# Altium PCB ELOC_Receiver.PcbDoc (continued)
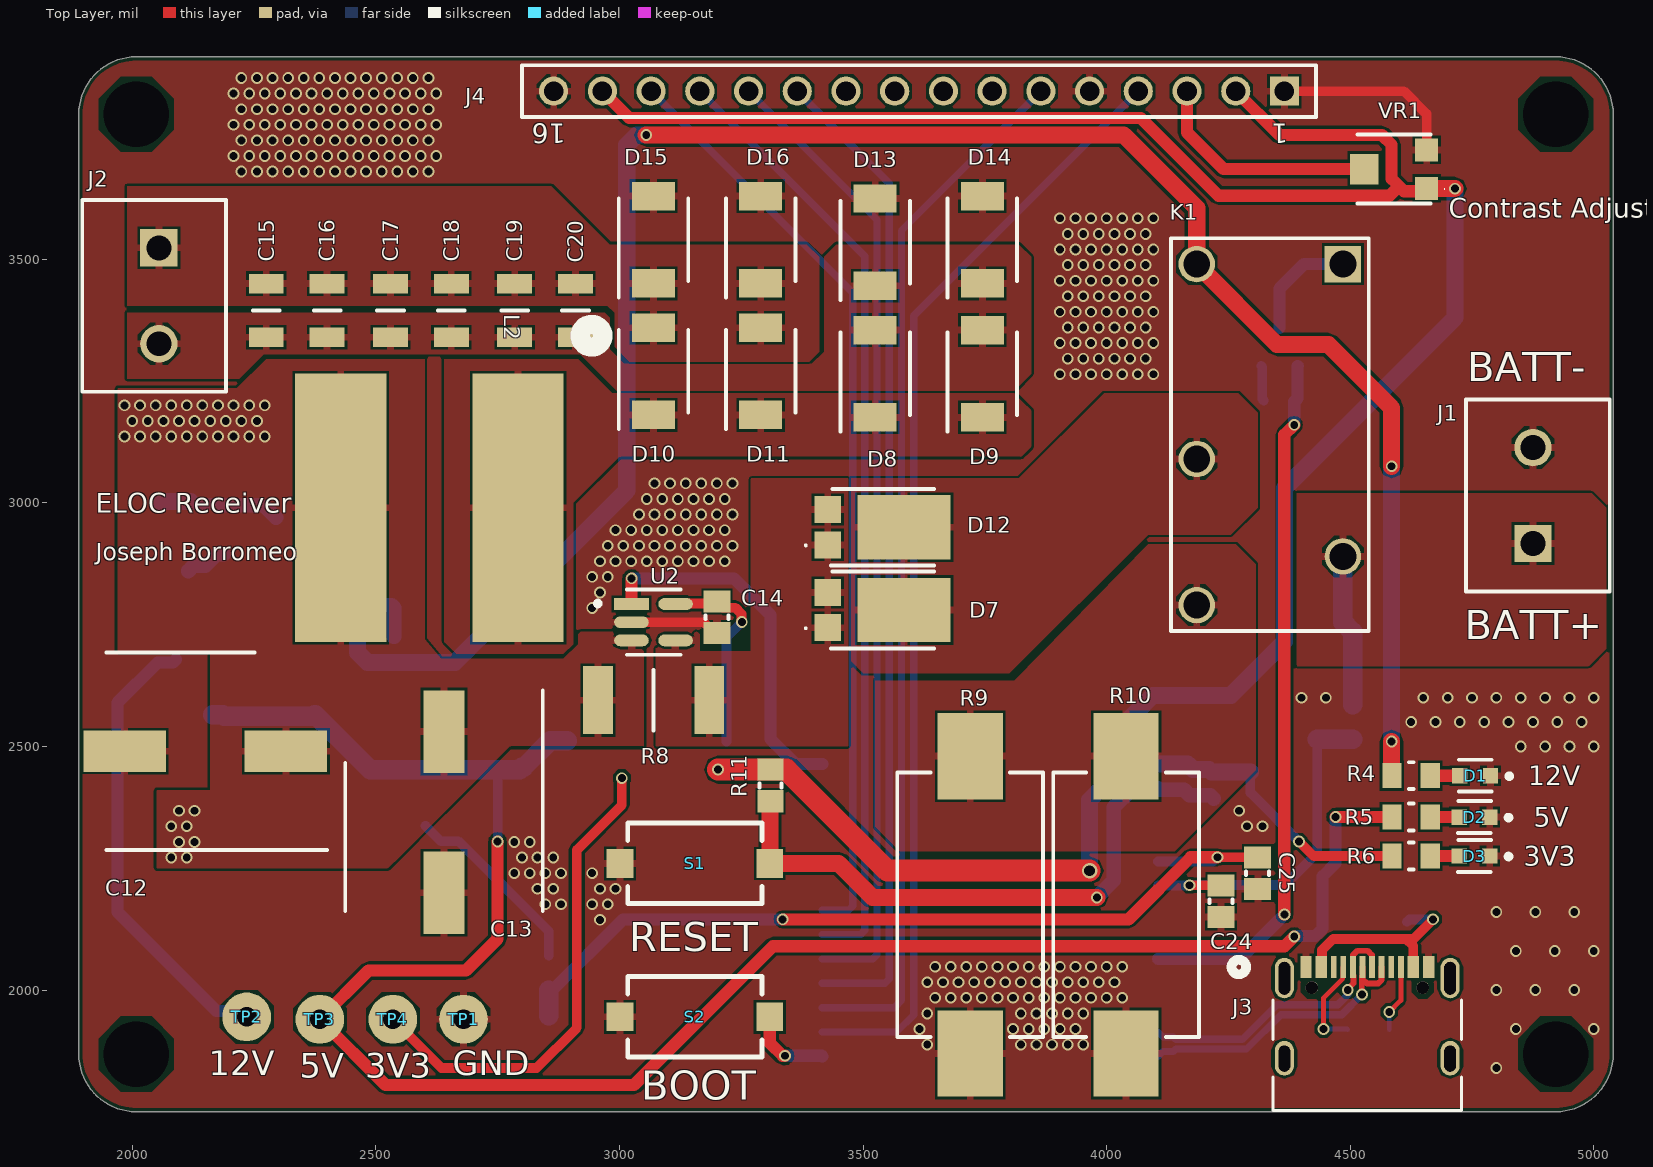
[diagram p0: Top Layer view]
## Footprints (in the part's own frame and the unit in brackets; to place one, negate y for a bottom-side part, rotate by r counter-clockwise, add the part's x,y. Pads: shape width x height; smd on the part's side, far side on the other; paste and mask are expansions set on the pad) (continued)
  rect 1x1.35 smd: 1(-0.9,0) 2(0.9,0)
  silkscreen extent -0.1,-0.58 0.1,0.58, body extent -1.05,-0.67 1.05,0.67, height 0.6
RESC6434X90N [mm]
  rect 1.55x3.55 smd: 1(-2.9,0) 2(2.9,0)
  silkscreen extent 0,-1.58 0,1.58, body extent -3.22,-1.68 3.22,1.68, height 0.9
SDR1307-220ML [mm]
  rect 14x4.75 smd: 1(0,4.625) 2(0,-4.625)
  silkscreen extent -9.56,7.87 -8.38,9.04, body extent -6.5,-6.18 6.5,6.82, height 7
SOD-128 [mm]
  rect 1.4x2.1 smd mask+0.076: 1(-2.2,0) 2(2.2,0)
  silkscreen extent -2.2,-1.35 2.2,1.35, body extent -2.5,-1.35 2.5,1.35, height 1.1
SODFL5436X110N [mm]
  rect 1.48x2.24 smd: 1(-2.275,0) 2(2.275,0)
  silkscreen extent -3.02,-1.81 2.16,1.81, body extent -2.7,-1.81 2.7,1.81, height 1.1
SOIC127P600X170-9N [mm]
  rect 1.525x0.7 smd: 1(-2.712,1.905) 2(-2.712,0.635) 3(-2.712,-0.635) 4(-2.712,-1.905) 5(2.712,-1.905) 6(2.712,-0.635) 7(2.712,0.635) 8(2.712,1.905)
  rect 2.56x3.45 smd: 9(0,0)
  silkscreen extent -3.47,2.61 -1.95,2.61, body extent -3,-2.45 3,2.45, height 1.7
Tactile_Button_3X6X2 [mm] "Tactile Button"
  rect 1.4x1.5 smd: 1(-3.9,0) 2(3.9,0)
  silkscreen extent -3.5,-2.1 3.5,2.1, body extent -4,-1.85 4,1.85, height 3.05
TBAT54CLM [mm]
  rect 0.6x0.7 smd: 1(-0.95,-1) 2(0.95,-1) 3(0,1)
  silkscreen extent -1.45,-1.55 1.45,0.65, body extent -1.45,-1.2 1.45,1.2, height 0.95
TC33X2503E [mm]
  rect 1.2x1.2 smd: 1(-1,-1.7) 3(1,-1.7)
  rect 1.6x1.5 smd: 2(0,1.55)
  silkscreen extent -1.8,-2.64 1.8,1.9, body extent -1.5,-2 1.5,1.8, height 1.22
TESTPOINT_LOOP [mm]
  round 2.54 hole 1.02: 1(0,0)
  body extent -1.27,-1.27 1.27,1.27, height 4.57
USB4105_GCT [mil]
  oval 39x71 smd: 13(-170.08,-49.97) 14(170.08,-49.97)
  oval 39x83 smd: 15(-170.08,114.6) 16(170.08,114.6)
  round 26 hole 26 unplated: 17(-113.78,94.91) 18(113.78,94.91)
  rect 23x45 smd: A1-B12(-125.98,137.24) A4-B9(-94.49,137.24) B1-A12(125.98,137.24) B4-A9(94.49,137.24)
  rect 12x45 smd paste+0 mask+0: A5(-49.21,137.24) A6(-9.84,137.24) A7(9.84,137.24) A8(49.21,137.24) B5(68.9,137.24) B6(29.53,137.24) B7(-29.53,137.24) B8(-68.9,137.24)
  round 24 hole 24 slot 53.15 at 90 deg unplated: S_1_H1(-170.08,-50.79) S_2_H1(170.08,-50.79)
  round 24 hole 24 slot 66.93 at 90 deg unplated: S_3_H1(-170.08,114.17) S_4_H1(170.08,114.17)
  silkscreen extent -278,-157 194,152, body extent -189,-152 189,151, height 130

## Part data
C1 C2 C3 C5: library part CMP-207839-000010-1, "CAP CER 1UF 25V X7R 0805", Capacitance=1uF, Case Code (Imperial)=0805, Case Code (Metric)=2012, Dielectric=X7R, Max Operating Temperature=125°C, Min Operating Temperature=-55°C, Tolerance=10%, Voltage Rating=25V, Case/Package=0805, Length=0.079inch, Mount="Surface Mount", Packaging="Cut Tape", RoHS Compliant=Yes, Series=WCAP-CSGP, Thickness=0.053inch, Voltage Rating (DC)=25V, Width=0.049inch
C4: "Capacitor", Capacitance=100nF, Manufacturer_Name=KEMET, Mouser Part Number=80-C0805C104K1RAUTLR, Arrow Part Number=C0805C104K1RACAUTO7210, Arrow Price/Stock=https://www.arrow.com/en/products/c0805c104k1racauto7210/kemet-corporation?region=europe, Datasheet Link=https://content.kemet.com/datasheets/KEM_C1023_X7R_AUTO_SMD.pdf, Height=1.1mm, Manufacturer_Part_Number=C0805C104K1RACAUTO7210, Mouser Price/Stock=https://www.mouser.co.uk/ProductDetail/KEMET/C0805C104K1RACAUTO7210?qs=NJR6qtu0rR34GE7CYHVK6Q%3D%3D
C6 C7: library part CMP-13271-002240-1, "CL21 Series 0805 10uF 16V ±10% Tolerance X5R Multilayer Ceramic Chip Capacitor", Capacitance=10uF, Case Code (Imperial)=0805, Case Code (Metric)=2012, Dielectric=X5R, Max Operating Temperature=85°C, Min Operating Temperature=-55°C, Package Quantity=3000, Tolerance=10%, Voltage=16V, Case/Package=0805, Depth=1.25mm, Height=1.25mm, Length=2mm, Material=Ceramic, Mount="Surface Mount", Packaging="Tape and Reel", Thickness=0.053inch, Voltage Rating=16V, Width=0.049inch
C8: library part CMP-2007-04689-1, Capacitance=100nF, Manufacturer="AVX Interconnect / Elco", Part Number=08055D104KAT2A
C9: library part CMP-13271-000003-1, "CAP CER 0.33UF 50V X7R 0805", Capacitance=330nF, Manufacturer="Samsung Electro-Mechanics", Package=CL21-F, Temperature="-55°C to +125°C", Temperature Characteristic=X7R, Temperature Coefficient=15%, Temperature Range High=+125°C, Temperature Range Low=-55°C, Tolerance=10%, Voltage Rating=50V, Automotive=No, Category=Cap, ComponentLink2Description=Datasheet, ComponentLink2URL=http://www.samsungsem.com/kr/support/product-search/mlcc/__icsFiles/afieldfile/2018/07/24/CL21B334KBFNNNE.pdf, Device Class L1="Passive Components", Device Class L2=Capacitors, Device Class L3="Ceramic Capacitors", Digikey Description="CAP CER 0.33UF 50V X7R 0805", Height=1.35mm, Ipc Land Pattern Name=CAPC200125X125, Lead Free=Yes, Manufacturer Part Number=CL21B334KBFNNNE, Material=Ceramic, Octopart=https://octopart.com/cl21b334kbfnnne-samsung-9287149, RoHS=TRUE
C10: library part CMP-2000-06102-2, "CL21 Series 0805 10uF 16V ±10% Tolerance X5R Multilayer Ceramic Chip Capacitor", Capacitance=10uF, Case Code (Imperial)=0805, Case Code (Metric)=2012, Dielectric=X7R, Max Operating Temperature=85°C, Min Operating Temperature=-55°C, Package Quantity=1, Tolerance=10%, Voltage=16V, Case/Package=0805, Depth=1.25mm, Height=1.25mm, Lead Free="Lead Free", Length=2mm, Mount="Surface Mount", Packaging="Tape and Reel", Radiation Hardening=No, Thickness=0.055inch, Voltage Rating=16V, Voltage Rating (DC)=16V, Width=0.049inch
C11: library part CMP-13271-002967-1, "CL21 Series 0805 22uF 6.3V ±20% Tolerance X5R Multilayer Ceramic Chip Capacitor", Capacitance=22uF, Case Code (Imperial)=0805, Case Code (Metric)=2012, Dielectric=X5R, Max Operating Temperature=85°C, Min Operating Temperature=-55°C, Package Quantity=3000, Tolerance=20%, Voltage=6.3V, Case/Package=0805, Depth=1.25mm, Height=1.25mm, Length=2mm, Material=Ceramic, Mount="Surface Mount", Packaging="Tape and Reel", Radiation Hardening=No, Thickness=0.055inch, Voltage Rating=6.3V, Width=0.049inch
C12 C13: "Capacitor Polarised", Capacitance=47uF, Manufacturer_Name=Nichicon, Mouser Part Number=647-UCD1K470MNL1GS, Arrow Part Number=UCD1K470MNL1GS, Arrow Price/Stock=https://www.arrow.com/en/products/ucd1k470mnl1gs/nichicon, Datasheet Link=https://www.arrow.com/en/products/ucd1k470mnl1gs/nichicon, Height=10.8mm, Manufacturer_Part_Number=UCD1K470MNL1GS, Mouser Price/Stock=https://www.mouser.co.uk/ProductDetail/Nichicon/UCD1K470MNL1GS?qs=c0uEScvPYN07T8BStUenxw%3D%3D
C14 C23 C24 C25: "CAP CER 0.1UF 50V X7R 0805", Capacitance=0.1µF, Package / Case=0805, Supplier Part Number 1=399-1170-1-ND, Temperature Coefficient=X7R, Tolerance=±10%, Voltage - Rated=50V, Supplier 1=Digi-Key
C15 C16 C17 C18 C19 C20: "Capacitor", Capacitance=10nF, Manufacturer_Name=KEMET, Mouser Part Number=80-C1206C103JAGECAUT, Arrow Part Number=C1206C103JAGECAUTO, Arrow Price/Stock=https://www.arrow.com/en/products/c1206c103jagecauto/kemet-corporation?region=nac, Datasheet Link=https://content.kemet.com/datasheets/KEM_C1091_C0G_ESD.pdf, Height=1.1mm, Manufacturer_Part_Number=C1206C103JAGECAUTO, Mouser Price/Stock=https://www.mouser.co.uk/ProductDetail/KEMET/C1206C103JAGECAUTO?qs=MLItCLRbWsxJM3Q8yxQv7A%3D%3D
C21: "CAP CER 1UF 16V X7R 0805", Capacitance=1µF, Manufacturer="Murata Electronics North America", Operating Temperature="-55°C ~ 125°C", Package / Case=0805, Supplier Part Number 1=490-1691-1-ND, Temperature Coefficient=X7R, Tolerance=±10%, Voltage - Rated=16V, Supplier 1=Digi-Key
C22: "CAP CER 22UF 16V X5R 0805", Capacitance=22µF, Supplier Part Number 1=1276-6780-1-ND, Temperature Coefficient=X5R, Tolerance=±20%, Voltage - Rated=16V, Supplier 1=Digi-Key
D1 D3: library part CMP-1426-00006-5, "LED GREEN CLEAR 0603 SMD", Case Code (Imperial)=0603, Case Code (Metric)=1608, Color=Green, Forward Current=20mA, Forward Voltage=2V, Lens Color=Colorless, Max Operating Temperature=85°C, Min Operating Temperature=-40°C, Package Quantity=4000, Power Rating=72mW, Reverse Voltage (DC)=5V, Case/Package=0603, Dominant Wavelength=570nm, Height=0.8mm, Illumination Color=Green, Length=1.6mm, Lens Size=0.7mm, Lens Style=Rectangular, Lens Transparency=Clear, Luminous Intensity=40mcd, Mount="Surface Mount", Number of Pins=2, Packaging="Cut Tape", RoHS Compliant=Yes, Series=WL-SMCW, Test Current=20mA, Viewing Angle=140°, Wavelength=570nm, Weight=0.000882oz, Width=0.8mm
D2: library part CMP-1426-00006-5, "LED GREEN CLEAR 0603 SMD", Case Code (Imperial)=0603, Case Code (Metric)=1608, Color=Green, Forward Current=20mA, Forward Voltage=2V, Lens Color=Colorless, Max Operating Temperature=85°C, Min Operating Temperature=-40°C, Package Quantity=4000, Power Rating=72mW, Case/Package=0603, Dominant Wavelength=570nm, Height=0.8mm, Illumination Color=Green, Length=1.6mm, Lens Size=0.7mm, Lens Style=Rectangular, Lens Transparency=Clear, Luminous Intensity=40mcd, Mount="Surface Mount", Number of Pins=2, Packaging="Cut Tape", Reverse Voltage (DC)=5V, RoHS Compliant=Yes, Series=WL-SMCW, Test Current=20mA, Viewing Angle=140°, Wavelength=570nm, Weight=0.000882oz, Width=0.8mm
D4 D5 D6: library part CMP-1060-00168-1, "3 W Zener Voltage Regulator, 2-Pin SMB, Pb-Free, Tape and Reel", Manufacturer="On Semiconductor", ComponentLink1Description="Manufacturer URL", ComponentLink1URL=http://www.onsemi.com/, ComponentLink2Description=Datasheet, ComponentLink2URL=http://www.onsemi.com/pub_link/Collateral/1SMB5913BT3-D.PDF, ComponentLink3Description="Package Specification", ComponentLink3URL=http://www.onsemi.com/pub_link/Collateral/1SMB5913BT3-D.PDF, DatasheetVersion="Rev. 8", Mounting Technology="Surface Mount", PackageDescription="2-Pin Small Molded Package, J-Bend Lead, Body 4.33 x 3.625 mm", PackageReference=SMB-2-403A-03_H, PackageVersion="Rev. H, 05/2011", Packing="Tape and Reel", PartNumber=1SMB5947BT3G, RoHS=Pb-Free, VZ Typ (V)=82
D7 D12: "Schottky Diode", Manufacturer_Name="Micro Commercial Components (MCC)", Datasheet Link=https://www.mccsemi.com/pdf/Products/MBR5U100(TO-277).pdf, Height=1.2mm, Manufacturer_Part_Number=MBR5U100-TP
D8 D9 D10 D11 D13 D14 D15 D16: "Schottky Diode", Manufacturer_Name=STMicroelectronics, Mouser Part Number=511-STPS4S200UFN, Arrow Part Number=STPS4S200UFN, Arrow Price/Stock=https://www.arrow.com/en/products/stps4s200ufn/stmicroelectronics?region=europe, Datasheet Link=https://www.st.com/resource/en/datasheet/stps4s200.pdf, Height=1.1mm, Manufacturer_Part_Number=STPS4S200UFN, Mouser Price/Stock=https://www.mouser.co.uk/ProductDetail/STMicroelectronics/STPS4S200UFN?qs=xZ%2FP%252Ba9zWqZ%2F%2FCgto3MYYA%3D%3D
D17: "DIODE SCHOTTKY 360mV 30V 5A", MFG=Nexperia, MFG_PN=PMEG3050EP,115, Supplier=Digikey, Supplier_PN=1727-5317-1-ND
IC1: "Integrated Circuit", Manufacturer_Name="Monolithic Power Systems (MPS)", Mouser Part Number=946-MP4541GN-Z, Datasheet Link=https://www.monolithicpower.com/en/documentview/productdocument/index/version/2/document_type/Datasheet/lang/en/sku/MP4541GN/, Height=1.7mm, Manufacturer_Part_Number=MP4541GN-Z, Mouser Price/Stock=https://www.mouser.co.uk/ProductDetail/Monolithic-Power-Systems-MPS/MP4541GN-Z?qs=TCDPyi3sCW3JrMFxnpK4AA%3D%3D
IC2: "Integrated Circuit", Manufacturer_Name="Diodes Inc.", Mouser Part Number=621-AS78L05RTR-E1, Arrow Part Number=AS78L05RTR-E1, Arrow Price/Stock=https://www.arrow.com/en/products/as78l05rtr-e1/diodes-incorporated?region=asia, Datasheet Link=https://www.diodes.com/assets/Datasheets/AS78Lxx.pdf, Manufacturer_Part_Number=AS78L05RTR-E1, Mouser Price/Stock=https://www.mouser.co.uk/ProductDetail/Diodes-Incorporated/AS78L05RTR-E1?qs=FKu9oBikfSksfBIasZ7FtQ%3D%3D
J1 J2: library part CMP-1502-03324-1, "Series 1377 - 5.00 mm Horizontal Entry with Pressure Clamp WR-TBL, 2 pin", Manufacturer="Wurth Elektronik", Operating Temperature=-30to120degC, Datasheet URL=http://katalog.we-online.de/pbs/datasheet/691137710002.pdf, Manufacturer URL=http://www.we-online.de, Mounting Technology=THT, Package Reference=691137710002, Packaging=Box, Part Number=691137710002, Pin Number=2, Pitch=5.00mm, Publisher=WurthElektronik
J3: "No Description Available", Mfr_Name="Global Connector Technology", Copyright="Copyright (C) 2022 Ultra Librarian. All rights reserved.", Digi-Key_Part_Number_1=2073-USB4105-GF-ACT-ND, Digi-Key_Part_Number_2=2073-USB4105-GF-ADKR-ND, Digi-Key_Part_Number_3=2073-USB4105-GF-ATR-ND, Manufacturer_Part_Number=USB4105-GF-A, RefDes=RefDes, Type=DEV
J4: library part CMP-1502-01343-1, "THT Vertical Socket Header WR-PHD, Pitch 2.54 mm, Single Row, 16 pins", Contact Resistance=20mOhm, Manufacturer="Wurth Elektronik", Operating Temperature=-40to125degC, Rated Current=3A, Withstanding Voltage=500VAC, Working Voltage=250VAC, Datasheet URL=https://katalog.we-online.de/em/datasheet/6130xx11821.pdf, Gender=Female, Manufacturer URL=http://www.we-online.de, Mounting Technology=THT, Orientation=Vertical, Package Reference=61301611821, Packaging=Tray, Part Number=61301611821, Pin Number=16, Pitch=2.54mm, Publisher=WurthElektronik, Row Number=Single
K1: library part CMP-1503-00193-1, "LQ Relays, 12 V Coil Voltage, 400 mW Nominal Operating Power, -40 to 85 degC, 5-Pin LQ, Carton, Case, RoHS", Coil Voltage="12 V", Manufacturer=Panasonic, Max Switching Current="10 A (N.O.), 3 A (N.C.)", Max Switching Voltage="250 V AC", Nominal Operating Power="400 mW", ComponentLink1Description="Manufacturer URL", ComponentLink1URL=http://www3.panasonic.biz/ac/ae/index.jsp, ComponentLink2Description=Datasheet, ComponentLink2URL=http://www3.panasonic.biz/ac/e_download/control/relay/power/catalog/mech_eng_lq.pdf?f_cd=401220, ComponentLink3Description="Package Specification", ComponentLink3URL=http://www3.panasonic.biz/ac/e_download/control/relay/power/catalog/mech_eng_lq.pdf?f_cd=401220, DatasheetVersion=201410-T, Electrical Life=5x10^4, Mechanical Life(Min.operation)=1x10^7, Mounting Technology="Through Hole", PackageDescription="5-Pin Through Hole Terminal Package, Body 20 x 10 mm", PackageReference=LQ-5-2000x1000x1600, PackageVersion="ASCTB92E, 10/2014", Packing="Carton, Case", PartNumber=ALQ112, Pb-Free=True, RoHS=True, Series="LQ Relays"
L1: library part CMP-14484-000483-1, "SMD Inductors 10uH ±10% 0.235A 0.247Ω 1007", Case Code (Imperial)=1007, Case Code (Metric)=2518, Current Rating=235mA, DC Resistance (DCR)=190mR, Inductance=10uH, Inductance Tolerance=10%, Max Operating Temperature=105°C, Min Operating Temperature=-40°C, Package Quantity=2000, Resistor Type=Wirewound, Self Resonant Frequency=30MHz, Test Frequency=2.52MHz, Case/Package=1007, Core Material=Ferrite, DC Current=235mA, Depth=2mm, Halogen Free="Halogen Free", Height=1.8mm, Height - Seated (Max)=0.079inch, Lead Free="Lead Free", Lead Pitch=1.5mm, Length=0.098inch, Max DC Current=235mA, Military Standard=Not, Mount="Surface Mount", Packaging="Tape and Reel", Radiation Hardening=No, RoHS Compliant=Yes, Series=LB, Shielding=Unshielded, Termination=SMD/SMT, Tolerance=10%, Width=0.071inch
L2: "Inductor", Inductance=18uH, Manufacturer_Name=Bourns, Mouser Part Number=652-SDR1307-180ML, Arrow Part Number=SDR1307-180ML, Arrow Price/Stock=https://www.arrow.com/en/products/sdr1307-180ml/bourns?region=nac, Datasheet Link=https://www.bourns.com/docs/Product-Datasheets/SDR1307.pdf, Manufacturer_Part_Number=SDR1307-180ML, Mouser Price/Stock=https://www.mouser.co.uk/ProductDetail/Bourns/SDR1307-180ML?qs=meVWcSOgEr47xBfFHZvpmA%3D%3D
Q1: "MOSFET (N-Channel)", Manufacturer_Name=Toshiba, Mouser Part Number=757-T2N7002BKLM, Arrow Part Number=T2N7002BK,LM, Arrow Price/Stock=https://www.arrow.com/en/products/t2n7002bklm/toshiba?region=nac, Datasheet Link=https://toshiba.semicon-storage.com/info/docget.jsp?did=30376&prodName=T2N7002BK, Height=1.1mm, Manufacturer_Part_Number=T2N7002BK,LM, Mouser Price/Stock=https://www.mouser.co.uk/ProductDetail/Toshiba/T2N7002BKLM?qs=lX6dEUlT%252BgfTnU11z%2FTylg%3D%3D
R1 R7: library part CMP-26527-002663-1, "10kΩ ±5% 0.125W 0805 Thick Film Chip Resistor AEC-Q200 compliant", Case Code (Imperial)=0805, Case Code (Metric)=2012, Max Operating Temperature=155°C, Max Power Dissipation=125mW, Min Operating Temperature=-55°C, Resistance=10kR, Resistor Type="Thick Film", Temperature Coefficient=100ppm/°C, Tolerance=5%, Case/Package=0805, Construction=Rectangular, Contact Plating=Tin, Depth=1.25mm, Features="Automotive AEC-Q200", Height=0.026inch, Lead Free="Lead Free", Length=2mm, Military Standard=Not, Mount="Surface Mount", Number of Terminations=2, Packaging="Tape and Reel", Power Rating=125mW, Radiation Hardening=No, RoHS Compliant=Yes, Series=RMCF, Size Code=0805, Width=0.049inch
R2: library part CMP-2001-04127-2, "RES Thick Film, 80.6kΩ, 1%, 0.125W, 100ppm/°C, 0805", Case Code (Imperial)=0805, Case Code (Metric)=2012, Max Operating Temperature=155°C, Max Power Dissipation=125mW, Min Operating Temperature=-55°C, Package Quantity=10, Resistance=80.6kR, Temperature Coefficient=100ppm/°C, Tolerance=1%, Voltage Rating=150V, Case/Package=0805, Composition="Thick Film", Contact Plating=Tin, Depth=1.25mm, Features="Automotive AEC-Q200", Height=0.45mm, Lead Free="Lead Free", Length=2mm, Military Standard=Not, Number of Pins=2, Number of Terminations=2, Packaging="Tape and Reel", Power Rating=125mW, Radiation Hardening=No, Termination=Solder, Voltage Rating (DC)=150V, Weight=0.000194oz, Width=1.25mm
R3: library part CMP-26527-000712-1, "110kΩ ±1% 0.125W 0805 Thick Film Chip Resistor AEC-Q200 compliant", Case Code (Imperial)=0805, Case Code (Metric)=2012, Max Operating Temperature=155°C, Max Power Dissipation=125mW, Min Operating Temperature=-55°C, Resistance=110kR, Resistor Type="Thick Film", Temperature Coefficient=100ppm/°C, Tolerance=1%, Case/Package=0805, Contact Plating=Tin, Features="Automotive AEC-Q200", Height=0.026inch, Lead Free="Lead Free", Length=0.079inch, Mount="Surface Mount", Number of Terminations=2, Packaging="Tape and Reel", Power Rating=125mW, Radiation Hardening=No, RoHS Compliant=Yes, Series=RMCF, Size Code=0805, Width=0.049inch
R4 R5 R6: library part CMP-26527-001902-1, "1kΩ ±1% 0.25W 0805 High Power Anti-Sulfur Thin Film Chip Resistor", Case Code (Imperial)=0805, Case Code (Metric)=2012, Max Operating Temperature=155°C, Max Power Dissipation=250mW, Min Operating Temperature=-55°C, Resistance=1kR, Resistor Type="Thin Film", Temperature Coefficient=100ppm/°C, Tolerance=1%, Case/Package=0805, Features="Moisture Resistant", Height=0.024inch, Lead Free="Lead Free", Length=0.079inch, Mount="Surface Mount", Number of Terminations=2, Packaging="Tape and Reel", Power Rating=250mW, RoHS Compliant=Yes, Series=RNCP, Size Code=0805, Width=0.049inch
R8: library part CRA2512-FZ-R010ELF, "Resistor", Manufacturer_Name=Bourns, Mouser Part Number=652-CRA2512FZR010ELF, Resistance=0.01, Arrow Part Number=CRA2512-FZ-R010ELF, Arrow Price/Stock=https://www.arrow.com/en/products/cra2512-fz-r010elf/bourns, Datasheet Link=http://www.bourns.com/PDFs/CRA.pdf, Height=0.9mm, Manufacturer_Part_Number=CRA2512-FZ-R010ELF, Mouser Price/Stock=https://www.mouser.co.uk/ProductDetail/Bourns/CRA2512-FZ-R010ELF?qs=WqWCsLCZBkoNPiv%2FXVnYvw%3D%3D
R9 R10: library part CMP-03211-011405-1, "RES SMD 1K OHM 5% 5W 5329", Case Code (Imperial)=5328, Case/Package=SMD/SMT, Max Operating Temperature=280°C, Max Power Dissipation=5W, Min Operating Temperature=-80°C, Number of Resistors=1, Resistance=1kR, Resistance Tolerance=5%, Resistor Type="Power resistor", Temperature Coefficient=100ppm/°C, Voltage Rating=500V, Depth=7.3mm, ELV=Compliant, Features="Flame Retardant Coating", Height=6.8mm, Length=13.5mm, Mount="Surface Mount", Number of Terminations=2, Packaging="Tape and Reel", Power Rating=5W, Radiation Hardening=No, RoHS Compliant=Yes, Series=SM, Technology="METAL FILM", Termination=Solder, Tolerance=5%, Voltage Rating (DC)=500V, Width=7.3mm
R11 R16 R17 R18: "RES SMD 10K OHM 1% 1/8W 0805", Manufacturer=Yageo, Operating Temperature="-55°C ~ 155°C", Package / Case=0805, Power (Watts)="0.125W, 1/8W", Resistance=10kΩ, Supplier Part Number 1=311-10.0KCRCT-ND, Temperature Coefficient=±100ppm/°C, Tolerance=±1%, Composition="Thick Film", Features="Moisture Resistant", Supplier 1=Digi-Key
R12 R13: library part CMP-2001-04024-2, "RES Thick Film, 5.1kΩ, 1%, 0.125W, 100ppm/°C, 0805", Case Code (Imperial)=0805, Case Code (Metric)=2012, Max Operating Temperature=155°C, Max Power Dissipation=125mW, Min Operating Temperature=-55°C, Package Quantity=10, Resistance=5.1kΩ, Temperature Coefficient=100ppm/°C, Tolerance=1%, Voltage Rating=150V, Case/Package=0805, Composition="Thick Film", Contact Plating=Tin, Depth=1.25mm, Features="Automotive AEC-Q200", Height=0.45mm, Lead Free="Lead Free", Length=2mm, Military Standard=Not, Mount="Surface Mount", Number of Terminations=2, Packaging="Tape and Reel", Power Rating=125mW, Radiation Hardening=No, Termination=SMD/SMT, Voltage Rating (DC)=150V, Weight=0.000194oz, Width=0.049inch
R14 R15: library part CMP-2001-01033-1, Manufacturer=Yageo, Package=0805, Resistance=267K, Part Number=RC0805FR-07267KL
S1 S2: library part "Tactile Button_3X6X2", "Tactile Button_3X6X2"
TP1 TP2 TP3 TP4: library part TESTPOINT_LOOP, "PC TEST POINT MINIATURE WHITE", Manufacturer 1="Keystone Electronics", Manufacturer Part Number 1=5002, Supplier Part Number 1=36-5002-ND, Mount="Through Hole", Supplier 1=Digi-Key
U1: library part CMP-12756-000043-1, "IC REG LINEAR 3.3V 1A SOT223", Case/Package=TO-261-4, Dropout Voltage=1.2V, Max Operating Temperature=125°C, Min Current Limit=1A, Min Operating Temperature=-40°C, Output Current=800mA, Output Voltage=3.3V, Mount="Surface Mount", Number of Pins=3, Number of Regulators=1, Packaging="Tape and Reel", RoHS Compliant=Yes
U2: library part CMP-04895-000140-1, "IC CURR SENSE 1 CIRCUIT SOT23-5", Case/Package=SOT-23-5, Input Bias Current=100nA, Input Offset Voltage (Vos)=100uV, Max Operating Temperature=125°C, Min Operating Temperature=-40°C, Operating Supply Current=260uA, -3db Bandwidth=350kHz, Mount="Surface Mount", Number of Circuits=1, Packaging="Tape and Reel", Slew Rate=2V/µs
U3: "WiFi Modules - 802.11 SMD module, ESP32-S2, 4 MB SPI flash, IPEX antenna", Manufacturer_Name="Espressif Systems", Mouser Part Number=356-ESP32-S2-SOLOUN4, Datasheet Link=https://www.espressif.com/sites/default/files/documentation/esp32-s2-solo_esp32-s2-solo-u_datasheet_en.pdf, Geometry.Height=3.35mm, Manufacturer_Part_Number=ESP32-S2-SOLO-U-N4, Mouser Price/Stock=https://www.mouser.co.uk/ProductDetail/Espressif-Systems/ESP32-S2-SOLO-U-N4?qs=pBJMDPsKWf24meOzbFo%252B2g%3D%3D
VR1: "Variable Resistor", Manufacturer_Name=Bourns, Mouser Part Number=652-TC33X-2-203E, Arrow Part Number=TC33X-2-203E, Arrow Price/Stock=https://www.arrow.com/en/products/tc33x-2-203e/bourns?region=nac, Datasheet Link=https://www.bourns.com/pdfs/TC33.pdf, Height=1.2mm, Manufacturer_Part_Number=TC33X-2-203E, Mouser Price/Stock=https://www.mouser.co.uk/ProductDetail/Bourns/TC33X-2-203E?qs=kSSonJSvPGoOcNyKSIM%252Bog%3D%3D

## Free pads (board coordinates)
  round 60 hole 135: 12(2008.36,3797.49) 13(4921.75,3797.49) 14(4921.75,1868.36) 15(2008.36,1868.36)

## Via types
v1: diameter 24, hole 16, Top Layer to Bottom Layer, 389 vias
v2: diameter 32, hole 22, Top Layer to Bottom Layer, 1 vias

## Nets (pads, with @x,y where several pads share a name; then routed paths per layer and width w, separated by ;. In a path a pad name is that pad's centre, name@x,y a point inside that pad or via, vN(x,y) a via of type N, cw(c..) or ccw(c..) an arc to the next point about the centre after c; other vN are vias at no path point)
3V3: C11.2 C14.2 C22.2 C23.2 J4.2 J4.15 R6.2 R11.2 TP4.1 U1.2 U1.4 U2.5 U3.2 VR1.1 | length 7041
  Top Layer w20: TP4.1 2635,1840 2830,1840 2912.5,1922.5 2912.5,2287.5 3005,2380 v1(3005,2435) ; U2.5 3116.08,2793.19 3195.71,2793.19 C14.2 3212.64,2784.84 3237.77,2784.84 3250.57,2772.03 3250.57,2756.35 v1(3251.34,2755.59) ; v1(4395,2305) 4425,2275 R6.2
  Top Layer w25: J4.15 3020,3790 4070,3790 4229.51,3630.49 4580.49,3630.49 4600,3650 ; J4.2 4355,3755 4565,3755 4585,3735 4585,3665 4600,3650 ; VR1.1@4650.85,3639.55 4610.45,3639.55 4600,3650
  Top Layer w35: VR1.1@4650.85,3639.55 4656.3,3645 v1(4715,3645)
  Top Layer w45: v1(3202.48,2452.48) R11.2 3310.14,2452.34 3342.66,2452.34 3550,2245 v2(3965,2245)
  Bottom Layer w20: 3220,2510 3220,2724.25 3250.59,2754.84 3250.59,2755.59 v1(3251.34,2755.59) ; C22.2 4295,2405 v1(4395,2305)
  Bottom Layer w35: v2(3965,2245) 3965,2390 4038.6,2463.6 ; C22.2 C23.2 4209.86,2452.66 4177.34,2452.66 4166.4,2463.6 4105.65,2463.6 U3.2 4105.22,2463.6 4038.6,2463.6 ; v1(4715,3645) 4715,3380 4365,3030 4365,2715 4255,2605 4095,2605 4038.6,2548.6 4038.6,2463.6
+5: C8.2 C10.1 D17.2 IC2.1 R5.2 TP3.1 U1.3 | length 4184.7
  Top Layer w25: v1(2750,2305) 2750,2105 2685,2040 2485,2040 TP3.1 2520,1805 3030,1805 3315,2090 4365,2090 v1(4385,2110) ; v1(4470,2355) R5.2
  Bottom Layer w20: v1(2750,2305) 2750,2452.51
  Bottom Layer w25: v1(4385,2110) 4386.16,2111.16 4428.33,2111.16 4443.38,2126.22 4443.38,2233.38 4470,2260 v1(4470,2355)
  Bottom Layer w40: IC2.1@2165,2565 2185.83,2565 2188.88,2561.95 2372.38,2561.95 C8.2 2375.98,2564.57 2488.04,2452.51 2750,2452.51 C10.1 2799.7,2457.21 2803.67,2457.21 2857.91,2511.46 U1.3
+12: C5.1 C6.2 C7.1 C9.1 IC2.3 K1.5 L1.2 R3.2 R4.2 TP2.1 | length 5022.6
  Top Layer w35: v1(3055,3755) 4035,3755 4185,3605 K1.5 4350,3325 4455,3325 4585,3195 v1(4585,3075) ; v1(4585,2510) 4585,2440.63 R4.2
  Bottom Layer w25: C9.1 2083.65,2672.28 2052.28,2672.28 1970,2590 1970,2160 2173.13,1956.87 2223.13,1956.87 TP2.1
  Bottom Layer w35: C5.1 2462.82,2724.78 2462.82,2692.69 2483.32,2672.18 2662.18,2672.18 3015,3025 3015,3734.5 3035.5,3755 v1(3055,3755) ; v1(4585,2510) v1(4585,3075)
BOOT: S2.1 U3.27 | length 172.9
  Top Layer w25: S2.1 3308.54,1891.46 3335,1865 v1(3340,1865)
  Bottom Layer w25: v1(3340,1865) 3415.28,1865 U3.27
Coil_A: C15.1 C16.1 C17.1 C18.1 C19.1 C20.1 D8.2 D9.2 D13.1 D14.1 J2.2
Coil_B: C15.2 C16.2 C17.2 C18.2 C19.2 C20.2 D10.2 D11.2 D15.1 D16.1 J2.1
Contrast: J4.3 VR1.2 | length 480
  Top Layer w25: J4.3 4165,3760 4240,3685 VR1.2
D_N: J3.A7 J3.B7 U3.13 | length 591.9
  Top Layer w12: v1(4495,2000) 4495,2002.19 4506.81,2014 4506.81,2029.39 4505.47,2030.74 J3.B7 4505.47,2071.61 4514.6,2080.74 4535.71,2080.74 4544.84,2071.61 J3.A7
  Bottom Layer w15: U3.13 4115.65,1903.6 4137.42,1903.6 4142.2,1898.82 4278.87,1898.82 4349.64,1969.59 4474.59,1969.59 4495,1990 v1(4495,2000)
D_P: J3.A6 J3.B6 U3.14 | length 608.8
  Top Layer w12: v1(4524.14,1990.86) 4523.81,1991.19 4523.81,2022.86 4523.81,2029.39 J3.A6@4525.16,2030.74 ; J3.A6 J3.A6@4525.16,2030.74 ; J3.B6 4564.53,2020.77 4557.5,2013.74 4534.29,2013.74 4525.16,2022.86 J3.A6@4525.16,2030.74
  Bottom Layer w15: U3.14 4115.65,1874.04 4137.42,1874.04 4142.2,1878.82 4287.15,1878.82 4357.92,1949.59 4482.87,1949.59 v1(4524.14,1990.86)
DB4: J4.11 U3.30 | length 2041.6
  Bottom Layer w15: J4.11 3553.82,3656.18 3553.82,2022.61 3545.03,2013.82 U3.30
DB5: J4.12 U3.31 | length 1997.7
  Bottom Layer w15: J4.12 3528.82,3581.18 3528.82,2072.61 3520.03,2063.82 U3.31
DB6: J4.13 U3.32 | length 1953.7
  Bottom Layer w15: J4.13 3503.82,3506.18 3503.82,2122.61 3495.03,2113.82 U3.32
DB7: J4.14 U3.33 | length 1909.8
  Bottom Layer w15: J4.14 3478.82,3431.18 3478.82,2172.61 3470.03,2163.82 U3.33
FB: C5.2 IC1.4 R3.1 R7.1 | length 294.6
  Bottom Layer w30: R3.1 R3.1@2392.09,2835.54 ; IC1.4 2397.11,2895 2395.89,2893.78 2395.89,2839.33 R3.1@2392.09,2835.54 ; C5.2 2537.4,2785.02 2532.51,2789.92 2496.67,2789.92 R7.1 2473.33,2813.25 2466.43,2813.25 2444.14,2835.54 R3.1@2392.09,2835.54
GND: C1.2 C2.2 C3.2 C6.1 C7.2 C8.1 C9.2 C10.2 C11.1 C12.2 C13.2 C14.1 C21.1 C22.1 C23.1 C24.1 C25.1 D1.1 D2.1 D3.1 D4.2 D5.2 D6.2 D13.2 D14.2 D15.2 D16.2 IC1.7 IC1.9 IC2.2 IC2.4 J1.2 J3.A1-B12 J3.B1-A12 J4.1 J4.5 J4.16 Q1.2 R2.2 R7.2 R9.2 R10.2 R12.2 R13.2 R16.2 R17.1 R18.1 S1.2 S2.2 TP1.1 U1.1 U2.2 U3.1 U3.40 U3.41 U3.42 U3.43 U3.44 U3.45 U3.46 U3.47 U3.48 U3.49 VR1.3 | length 895.8
  Top Layer w20: U2.2 3172.6,2755 3195.08,2732.52 C14.1 ; J4.1 4610,3845 4656.93,3798.07 VR1.3
  Bottom Layer w20: Q1.2 4319.41,3278.82 4319.41,3213.11 R18.1
  Bottom Layer w25: C2.2 2125.22,2997.38 2169.61,2997.38 2171.99,2995 IC1.7
  Bottom Layer w30: IC1.7 2270,2995 IC1.9
  Bottom Layer w35: C1.2 C2.2
  other v1: 4800,1840 3632,1888 3824,1888 3856,1888 3888,1888 3920,1888 3952,1888 3616,1920 3808,1920 3840,1920 3872,1920 3904,1920 3936,1920 4840,1920 5000,1920 3632,1952 3824,1952 3856,1952 3888,1952 3920,1952 3952,1952 3648,1984 3680,1984 3712,1984 3744,1984 3776,1984 3808,1984 3840,1984 3872,1984 3904,1984 3936,1984 3968,1984 4000,1984 4032,1984 4800,2000 4880,2000 4960,2000 3632,2016 3664,2016 3696,2016 3728,2016 3760,2016 3792,2016 3824,2016 3856,2016 3888,2016 3920,2016 3952,2016 3984,2016 4016,2016 3648,2048 3680,2048 3712,2048 3744,2048 3776,2048 3808,2048 3840,2048 3872,2048 3904,2048 3936,2048 3968,2048 4000,2048 4032,2048 4840,2080 4920,2080 5000,2080 2960,2144 4800,2160 4880,2160 4960,2160 2848,2176 2880,2176 2944,2176 2976,2176 2832,2208 2864,2208 2960,2208 2992,2208 2784,2240 2816,2240 2848,2240 2880,2240 2944,2240 2800,2272 2832,2272 2864,2272 2784,2304 2816,2304 4288,2336 4320,2336 4272,2368 4850,2500 4900,2500 4950,2500 5000,2500 4625,2550 4675,2550 4725,2550 4775,2550 4825,2550 4875,2550 4925,2550 4975,2550 4400,2600 4450,2600 4650,2600 4700,2600 4750,2600 4800,2600 4850,2600 4900,2600 4950,2600 5000,2600 2944,2784 2960,2816 2944,2848 2976,2848 2960,2880 2992,2880 3024,2880 3056,2880 3088,2880 3120,2880 3152,2880 3184,2880 3216,2880 2976,2912 3008,2912 3040,2912 3072,2912 3104,2912 3136,2912 3168,2912 3200,2912 3232,2912 2992,2944 3024,2944 3056,2944 3088,2944 3120,2944 3152,2944 3184,2944 3216,2944 3040,2976 3072,2976 3104,2976 3136,2976 3168,2976 3200,2976 3232,2976 3056,3008 3088,3008 3120,3008 3152,3008 3184,3008 3216,3008 3072,3040 3104,3040 3136,3040 3168,3040 3200,3040 3232,3040 3904,3264 3936,3264 3968,3264 4000,3264 4032,3264 4064,3264 4096,3264 3920,3296 3952,3296 3984,3296 4016,3296 4048,3296 4080,3296 3904,3328 3936,3328 3968,3328 4000,3328 4032,3328 4064,3328 4096,3328 3920,3360 3952,3360 3984,3360 4016,3360 4048,3360 4080,3360 3904,3392 3936,3392 3968,3392 4000,3392 4032,3392 4064,3392 4096,3392 3920,3424 3952,3424 3984,3424 4016,3424 4048,3424 4080,3424 3904,3456 3936,3456 3968,3456 4000,3456 4032,3456 4064,3456 4096,3456 3920,3488 3952,3488 3984,3488 4016,3488 4048,3488 4080,3488 3904,3520 3936,3520 3968,3520 4000,3520 4032,3520 4064,3520 4096,3520 3920,3552 3952,3552 3984,3552 4016,3552 4048,3552 4080,3552 3904,3584 3936,3584 3968,3584 4000,3584 4032,3584 4064,3584 4096,3584 2224,3680 2256,3680 2288,3680 2320,3680 2352,3680 2384,3680 2416,3680 2448,3680 2480,3680 2512,3680 2544,3680 2576,3680 2608,3680 2208,3712 2240,3712 2272,3712 2304,3712 2336,3712 2368,3712 2400,3712 2432,3712 2464,3712 2496,3712 2528,3712 2560,3712 2592,3712 2624,3712 2224,3744 2256,3744 2288,3744 2320,3744 2352,3744 2384,3744 2416,3744 2448,3744 2480,3744 2512,3744 2544,3744 2576,3744 2608,3744 2208,3776 2240,3776 2272,3776 2304,3776 2336,3776 2368,3776 2400,3776 2432,3776 2464,3776 2496,3776 2528,3776 2560,3776 2592,3776 2624,3776 2224,3808 2256,3808 2288,3808 2320,3808 2352,3808 2384,3808 2416,3808 2448,3808 2480,3808 2512,3808 2544,3808 2576,3808 2608,3808 2208,3840 2240,3840 2272,3840 2304,3840 2336,3840 2368,3840 2400,3840 2432,3840 2464,3840 2496,3840 2528,3840 2560,3840 2592,3840 2624,3840 2224,3872 2256,3872 2288,3872 2320,3872 2352,3872 2384,3872 2416,3872 2448,3872 2480,3872 2512,3872 2544,3872 2576,3872 2608,3872
LCD_EN: J4.6 U3.29 | length 2153.3
  Bottom Layer w15: U3.29 3563.82,1963.82 3578.82,1978.82 3578.82,3558.82 J4.6
MCU_EN: C21.2 R11.1 S1.1 U3.3 | length 1258
  Top Layer w35: R11.1 3309.27,2386.79 3309.27,2260.73 S1.1 3450,2260 3520,2190 v1(3980,2190)
  Bottom Layer w30: v1(3980,2190) 4015,2225 4015,2375 4051.1,2411.1 4102.72,2411.1 U3.3 4108.15,2411.1 4158.9,2411.1 4169.88,2400.12 4212.36,2400.12 C21.2
NetC3_1: C3.1 IC1.2 | length 87.9
  Bottom Layer w30: IC1.2 2415.57,2995 2431.79,3011.22 2440.08,3011.22 2443.26,3014.41 2469.88,3014.41 2472.6,3017.13 C3.1
NetC4_1: C4.1 IC1.5 | length 87.7
  Bottom Layer w30: C4.1 2125.59,2870.59 2150.02,2870.59 2174.43,2895 IC1.5
NetD1_2: D1.2 R4.1 | length 60.6
  Top Layer w25: R4.1 D1.2
NetD2_2: D2.2 R5.1 | length 59.1
  Top Layer w25: R5.1 D2.2
NetD3_2: D3.2 R6.1 | length 59.1
  Top Layer w25: R6.1 D3.2
NetD7_1: D7.1 D7.2 D12.1 D12.2 R8.2 U2.4
NetD7_3: D7.3 D12.3 K1.4
NetIC1_1: IC1.1 R1.1 | length 75.3
  Bottom Layer w40: IC1.1@2402.59,3055 2402.59,3129.18 R1.1
NetIC1_3: IC1.3 R2.1 | length 73.9
  Bottom Layer w30: IC1.3 2402.99,2946.22 2469.85,2946.22 R2.1
NetJ3_A5: J3.A5 R12.1 | length 194.8
  Top Layer w10: v1(4445,1920) 4445,1983.49 4484.79,2023.28 4484.79,2046.24 J3.A5
  Bottom Layer w10: v1(4445,1920) 4493.39,1920 R12.1
NetJ3_B5: J3.B5 R13.1 | length 138.7
  Top Layer w10: v1(4580,1955) 4603.9,1978.9 J3.B5
  Bottom Layer w10: R13.1 v1(4580,1955)
NetK1_1: K1.1 Q1.3 | length 231.3
  Bottom Layer w25: Q1.3 4355,3440 4405,3490 K1.1
NetU2_1: U2.1 U3.39 | length 751.4
  Top Layer w25: U2.1 3025,2792.7 v1(3025,2845)
  Bottom Layer w25: v1(3025,2845) 3235,2845 3310,2770 3310,2515 3361.18,2463.82 U3.39
OVP: K1.3 R9.1 R10.1
RelayCont: Q1.1 R18.2 U3.10 | length 1434.6
  Top Layer w25: v1(4365,2155) 4364.66,2155.34 4364.66,3139.66 v1(4385,3160)
  Bottom Layer w25: U3.10 4273.82,2063.82 v1(4365,2155) ; v1(4385,3160) 4385,3207.52 R18.2 4391.71,3214.23 4391.71,3279.94 Q1.1
RS: J4.4 U3.28 | length 2289.1
  Bottom Layer w15: U3.28 3568.82,1913.82 3603.82,1948.82 3603.82,3383.82 J4.4
SW: C4.2 IC1.6 L1.1
V_RECT: D8.1 D9.1 D10.1 D11.1 L2.1
VBATT: J1.1 K1.2 R15.2 | length 312.9
  Bottom Layer w40: K1.2 4485,2755 4505,2735 R15.2
VBATT_Sense: C24.2 R15.1 R17.2 U3.7 | length 725.7
  Top Layer w20: v1(4170,2215) C24.2
  Bottom Layer w20: U3.7 4106.02,2214.41 4169.41,2214.41 v1(4170,2215) 4170.77,2215.77 4365.77,2215.77 4432.48,2282.48 R17.2
  Bottom Layer w40: R17.2 4432.7,2514.78 4504.78,2514.78 R15.1
VBUS: C1.1 C2.1 C12.1 C13.1 D4.1 D5.1 D6.1 IC1.8 L2.2 R1.2 R8.1 R14.2 U2.3 | length 392.6
  Bottom Layer w20: D6.1 2633.21,2305.63 2669.37,2305.63 2855,2120 R14.2
  other v1: 2080,2272 2112,2272 2096,2304 2128,2304 2080,2336 2112,2336 2096,2368 2128,2368 1984,3136 2016,3136 2048,3136 2080,3136 2112,3136 2144,3136 2176,3136 2208,3136 2240,3136 2272,3136 2000,3168 2032,3168 2064,3168 2096,3168 2128,3168 2160,3168 2192,3168 2224,3168 2256,3168 1984,3200 2016,3200 2048,3200 2080,3200 2112,3200 2144,3200 2176,3200 2208,3200 2240,3200 2272,3200
VBUS_Sense: C25.2 R14.1 R16.1 U3.6 | length 1745.8
  Top Layer w20: v1(4227.52,2272.48) C25.2
  Top Layer w25: v1(3335,2145) 4045,2145 4172.48,2272.48 v1(4227.52,2272.48)
  Bottom Layer w20: U3.6 4217.78,2263.82 4226.44,2272.48 v1(4227.52,2272.48)
  Bottom Layer w25: R14.1 2861.89,1999.57 3007.32,2145 v1(3335,2145)
  Bottom Layer w40: R16.1 R14.1
VUSB: D17.1 J3.A4-B9 J3.B4-A9 | length 408.7
  Top Layer w20: J3.A4-B9 4442.01,2048.74 4442.01,2082.01 4465,2105 4615,2105 ; J3.B4-A9 4629.49,2090.51 4615,2105 ; v1(4670,2145) 4630,2105 4615,2105
  Bottom Layer w20: D17.1 4621.61,2145 v1(4670,2145)
pads on no net: J3.13 J3.14 J3.15 J3.16 J3.17 J3.18 J3.A8 J3.B8 J3.S_1_H1 J3.S_2_H1 J3.S_3_H1 J3.S_4_H1 J4.7 J4.8 J4.9 J4.10 U3.4 U3.5 U3.8 U3.9 U3.11 U3.12 U3.15 U3.16 U3.17 U3.18 U3.19 U3.20 U3.21 U3.22 U3.23 U3.24 U3.25 U3.26 U3.34 U3.35 U3.36 U3.37 U3.38

## Polygon pours and split planes (outlines as drawn)
GND on Top Layer "GND_L01_P016" (solid, pour order 16): 1805,3970 1805,1745 1875,1675 5065,1675 5205,1815 5205,3955 5140,3955
NetD7_1 on Top Layer "NETD7_1_L01_P004" (solid, pour order 4): 3075,2735 3075,2500 3470,2500 3470,3050 3270,3050 3270,2695 3165,2695 3165,2730 3160,2735
VBUS on Top Layer "VBUS_L01_P003" (solid, pour order 3): 2600,2720 2600,3295 2275,3295 2215,3235 1970,3235 1970,2695 2160,2695 2160,2410 2050,2410 2050,2250 2525,2250 2595,2320 2775,2500 3050,2500 3050,2695 3065,2710 3065,2735 2920,2735 2915,2730 2915,2710 2885,2680 2634.29,2680
VBATT on Top Layer "VBATT_L01_P007" (solid, pour order 7): 4390,3020 4390,2665 4990,2665 5025,2700 5025,2990 4995,3020
OVP on Top Layer "OVP_L01_P006" (solid, pour order 6): 4085,2915 4265,2915 4306.19,2873.81 4306.19,2451.19 4140,2285 3575,2285 3525,2335 3525,2635 3810,2635
NetD7_3 on Top Layer "NETD7_3_L01_P005" (solid, pour order 5): 3475,3050 3475,2675 3500,2650 3800,2650 4085,2935 4255,2935 4310,2990 4310,3185 4270,3225 3995,3225 3820,3050 3775,3050
V_RECT on Top Layer "V_RECT_L01_P002" (solid, pour order 2): 2640,3295 2915,3295 2985,3225 3810,3225 3845,3190 3845,3115 3825,3095 3000,3095 2905,3000 2905,2710 2885,2690 2665,2690 2640,2715
Coil_A on Top Layer "COIL_A_L01_P001" (solid, pour order 1): 1990,3390 2970,3390 2980,3380 2980,3315 3010,3285 3395,3285 3420,3310 3420,3505 3445,3530 3820,3530 3845,3505 3845,3265 3810,3230 2995,3230 2920,3305 2270,3305 2220,3255 1990,3255
Coil_B on Top Layer "COIL_B_L01_P000" (solid, pour order 0): 1990,3650 2860,3650 2980,3530 3385,3530 3410,3505 3410,3310 3390,3290 3020,3290 2990,3320 2990,3390 2975,3405 1990,3405
GND on Bottom Layer "GND_L02_P015" (solid, pour order 15): 1765,4080 1810,4035 5255,4035 5255,1595 5260,1590 5250,1580 1755,1580
3V3 on Bottom Layer "3V3_L02_P014" (solid, pour order 14): 2835,2450 2835,2385 2845,2375 3010,2375 3080,2305 3080,2170 3085,2165 3260,2165 3260,2525 3225,2525 2985,2525 2940,2480 2865,2480
VBUS on Bottom Layer "VBUS_L02_P012" (solid, pour order 12): 1970,3040 2140,3040 2150,3020 2235,3020 2235,3045 2240,3050 2320,3050 2365,3095 2365,3255 2235,3255 2215,3235 1970,3235
SW on Bottom Layer "SW_L02_P011" (solid, pour order 11): 1960,2960 1960,2890 2140,2890 2155,2905 2155,2915 2230,2915 2230,2975 1975,2975
+12 on Bottom Layer "+12_L02_P010" (solid, pour order 10): 1970,2885 2080,2885 2080,2825 2195,2825 2195,2810 2425,2810 2450,2785 2450,2760 2500,2760 2500,2705 2495,2700 2255,2700 2255,2690 2230,2665 2150,2665 2130,2645 1970,2645
VBUS on Bottom Layer "VBUS_L02_P008" (solid, pour order 8): 2050,2405 2055,2410 2730,2410 2730,2250 2050,2250

## Silkscreen, mask and mechanical layers (free items; w line width, h text height)
Top Overlay:
  text "Contrast Adjust" at 4702.5,3585 h40
  text "BATT-" at 4740,3250 h60
  text "ELOC Receiver" at 1925,2980 h40
  text "Joseph Borromeo" at 1925,2870 h60
  text "BATT+" at 4735,2720 h60
Board Shape:
  circle w0.5: c2008.36,1868.36 r68.9
  circle w0.5: c4921.75,1868.36 r68.9
  circle w0.5: c2008.36,3797.49 r68.9
  circle w0.5: c4921.75,3797.49 r68.9
  circle w0.5: c4921.75,3797.49 r68.9
  lines w0.5: 1890.25,1868.36 ccw(c2008.36,1868.36) 2008.36,1750.25 4921.75,1750.25 ccw(c4921.75,1868.36) 5039.86,1868.36 5039.86,3797.49 ccw(c4921.75,3797.49) 4921.75,3915.6 2008.36,3915.6 ccw(c2008.36,3797.49) 1890.25,3797.49 1890.25,1868.36

## Text inside footprints (layer, text, board x,y; h text height)
J4: Top Overlay "16" at 2889.8,3778.07 h40 r180; Top Overlay "1" at 4372.48,3778.07 h40 r180